# KiCad board ADHW.kicad_pcb (continued)
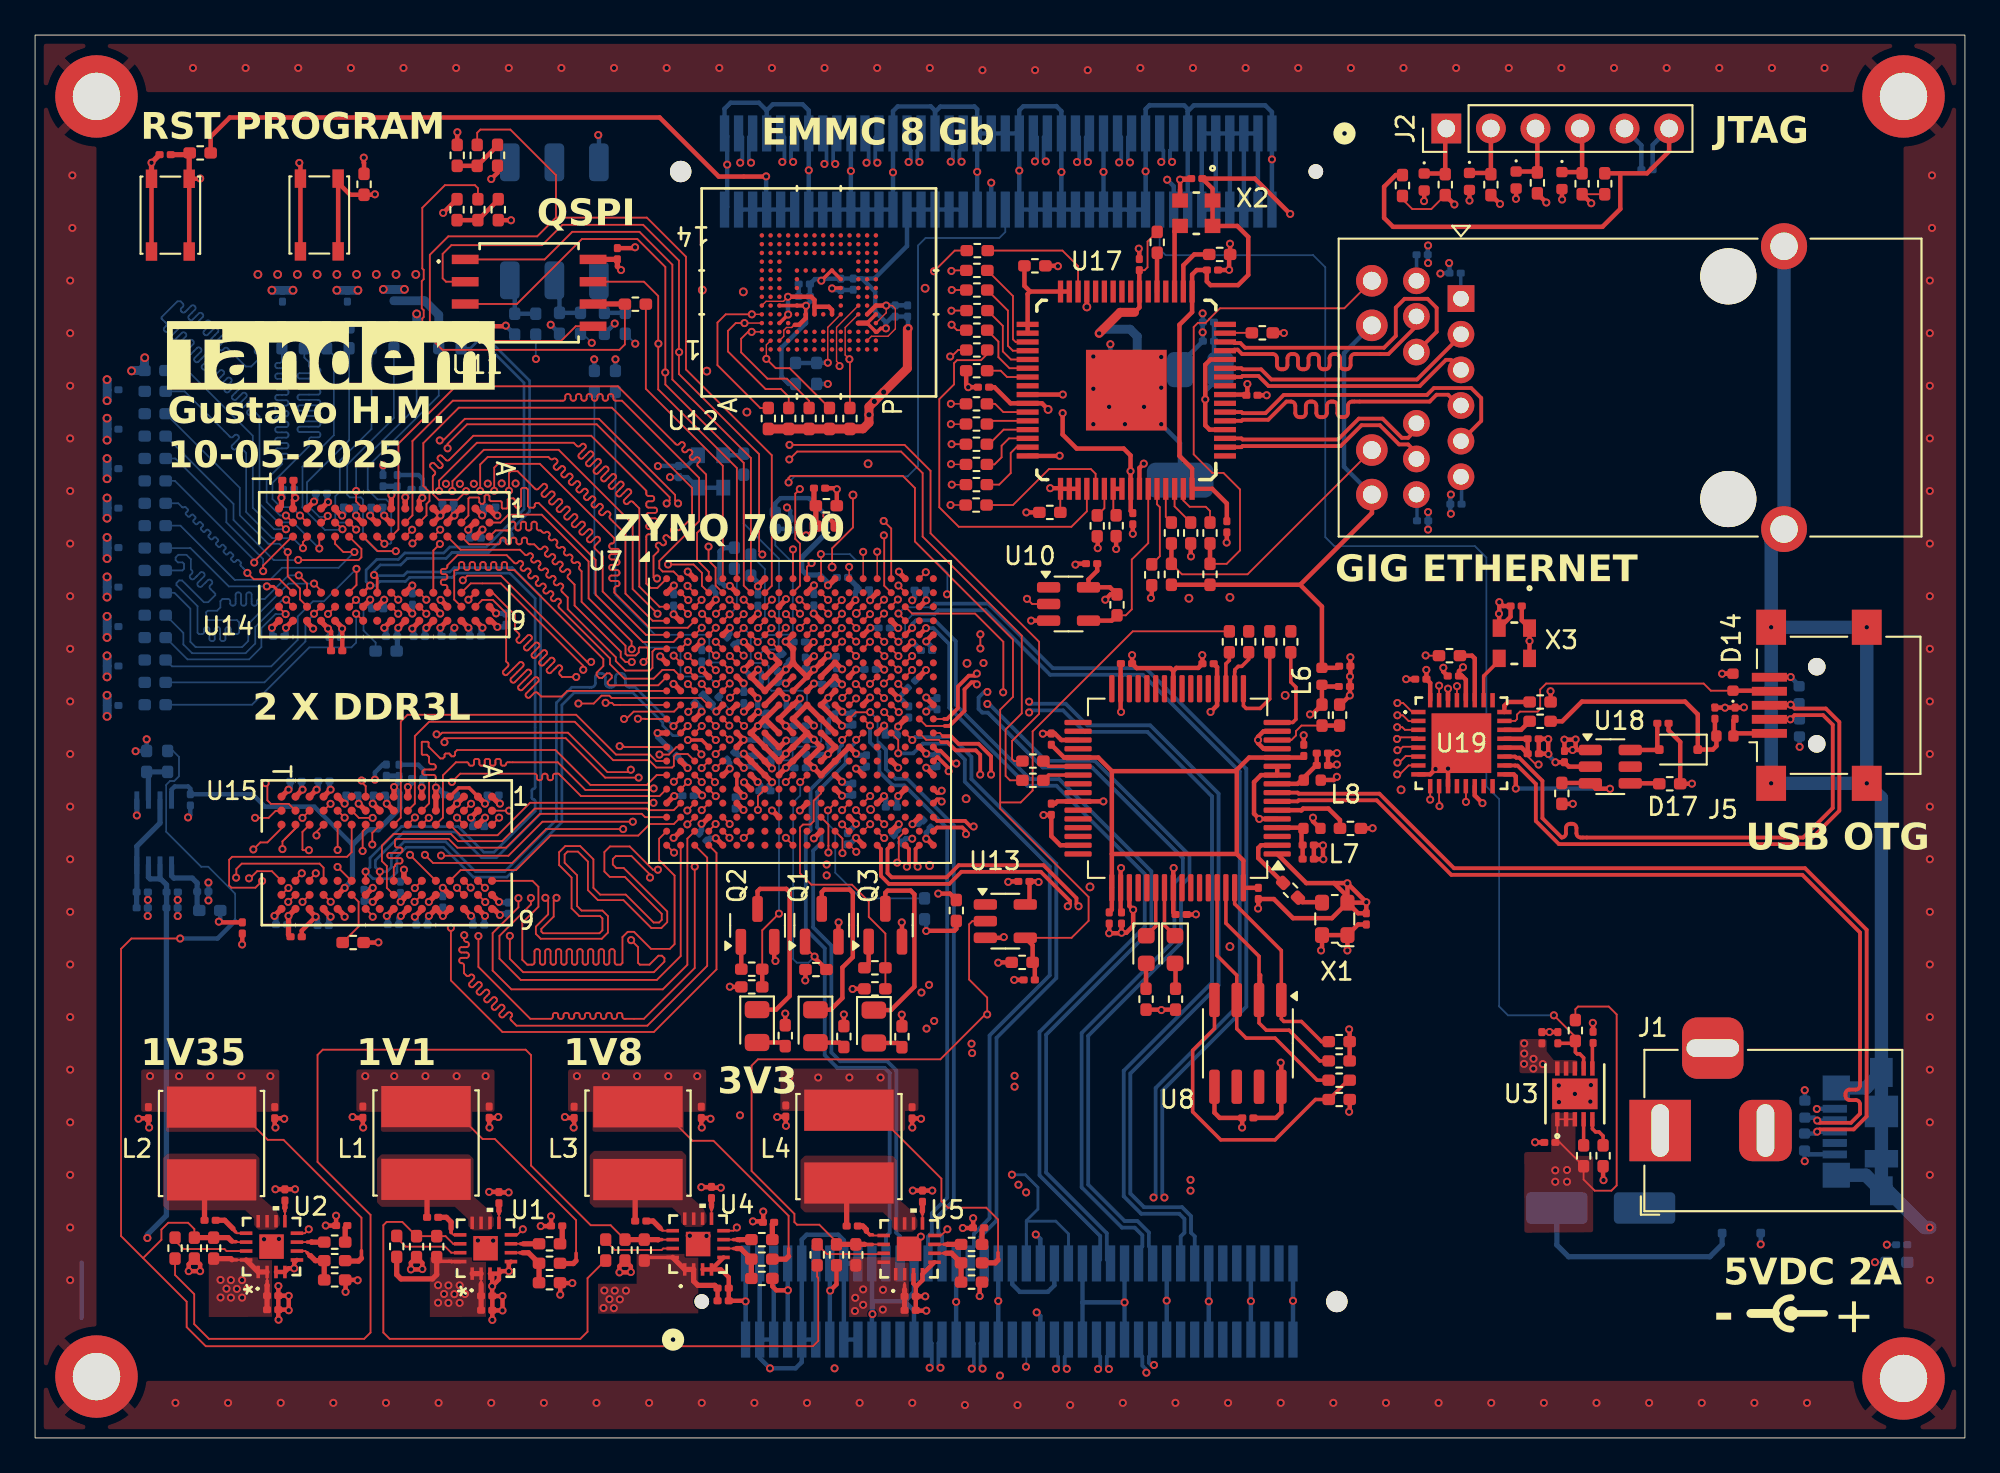
[diagram p0: board, top side]
## Routing (per net, layer and track width the routed paths; a pad name or vN(x,y) marks a point on that pad's centre or on a via; arc(x,y) is an arc through that point) (continued)
  In7.Cu w0.1: v1(19.24,35.36) 19.04,35.36 18.18,34.5 18.18,33.31 18.73,32.76 27.59,32.76 28.97,34.14 28.97,48.18 27.2,49.95 22.45,49.95 21.92,50.48 21.92,51.27 21.8,51.39 19.5,51.39 19.09,51.8 v1(18.3,51.8)
  Bottom w0.1: v1(18.3,51.8) U14.L2 17.3,52.2 17.11,52.39 17.11,53.7 17.37,53.96 17.37,55.73 19.17,57.53 R99.2
DDR_NDRST: length 89.1
  Top w0.102: v1(14.3,51.82) 14.28,51.82 U14.T2 ; v1(36.08,49.81) 37.53,49.81 38.01,49.33 38.01,48.59 U7.B4 ; U15.T2 13.83,35.77 13.82,35.76 13.71,35.76 13.31,35.36 v1(12.54,35.36)
  In5.Cu w0.1: v1(12.54,35.36) 12.12,35.78 12.12,38.67 14.74,41.29 15.89,41.29 17.3,42.7 29.17,42.7 29.57,43.1 arc(29.61,43.19) 29.57,43.27 29.53,43.31 arc(29.5,43.4) 29.53,43.49 29.58,43.53 arc(29.66,43.57) 29.75,43.53 30,43.28 arc(30.09,43.24) 30.17,43.28 30.22,43.32 arc(30.25,43.41) 30.22,43.49 29.96,43.75 arc(29.93,43.83) 29.96,43.92 30.01,43.96 arc(30.09,44) 30.18,43.96 30.43,43.71 arc(30.52,43.67) 30.6,43.71 30.65,43.75 arc(30.68,43.84) 30.65,43.92 30.39,44.18 arc(30.36,44.26) 30.39,44.35 30.44,44.39 arc(30.52,44.43) 30.61,44.39 30.86,44.14 arc(30.95,44.1) 31.03,44.14 31.08,44.18 arc(31.11,44.27) 31.08,44.36 30.83,44.61 arc(30.79,44.69) 30.83,44.78 30.87,44.82 arc(30.96,44.86) 31.04,44.82 31.29,44.57 arc(31.38,44.54) 31.47,44.57 31.51,44.61 arc(31.54,44.7) 31.51,44.79 31.26,45.04 arc(31.22,45.12) 31.26,45.21 31.3,45.25 arc(31.39,45.29) 31.47,45.25 31.72,45 arc(31.81,44.97) 31.9,45 31.94,45.05 arc(31.98,45.13) 31.94,45.22 31.9,45.26 arc(31.86,45.34) 31.9,45.43 32.04,45.57 32.31,45.57 32.42,45.68 arc(32.51,45.72) 32.59,45.68 32.87,45.41 arc(32.95,45.37) 33.04,45.41 33.08,45.45 arc(33.12,45.54) 33.08,45.62 32.36,46.34 arc(32.33,46.43) 32.36,46.51 32.41,46.56 arc(32.49,46.59) 32.58,46.56 33.3,45.84 arc(33.38,45.8) 33.47,45.84 33.51,45.88 arc(33.55,45.97) 33.51,46.05 32.79,46.77 arc(32.76,46.86) 32.79,46.94 32.84,46.99 arc(32.92,47.02) 33.01,46.99 33.73,46.27 arc(33.81,46.23) 33.9,46.27 33.94,46.31 arc(33.98,46.4) 33.94,46.48 33.22,47.2 arc(33.19,47.29) 33.22,47.38 33.27,47.42 arc(33.35,47.45) 33.44,47.42 34.16,46.7 arc(34.24,46.66) 34.33,46.7 34.37,46.74 arc(34.41,46.83) 34.37,46.92 33.66,47.63 arc(33.62,47.72) 33.66,47.81 33.7,47.85 arc(33.79,47.89) 33.87,47.85 34.59,47.13 arc(34.68,47.1) 34.76,47.13 34.81,47.17 arc(34.84,47.26) 34.81,47.35 34.09,48.07 arc(34.05,48.15) 34.09,48.24 34.13,48.28 arc(34.22,48.32) 34.3,48.28 35.02,47.56 arc(35.11,47.53) 35.19,47.56 35.24,47.61 arc(35.27,47.69) 35.24,47.78 34.96,48.05 arc(34.93,48.14) 34.96,48.22 35.3,48.56 35.73,48.56 35.99,48.82 35.99,49.72 v1(36.08,49.81)
  In7.Cu w0.1: v1(14.3,51.82) 14.5,51.62 15.2,51.62 15.76,51.06 15.76,50.46 16.79,49.43 16.79,48.52 15.07,46.8 15.07,43.82 11.7,40.45 11.7,36.17 12.51,35.36 v1(12.54,35.36) 12.54,35.38
  Bottom w0.1: v1(14.3,51.82) 13.63,51.82 12.41,53.04 12.41,57.15 8.69,60.87 R95.2
DDR_NRAS: length 96.9
  Top w0.102: U7.P4 38.39,38.6 v1(38,38.2) ; U15.J3 19.64,34.92 19.22,34.5 v1(19.22,33.84) ; v1(19.91,50.99) U14.J3
  In5.Cu w0.1: 38,38.2 v1(38,38.2) 38,38.2 U7.P4 38.4,39.2 38.2,39.4 37.8,39.4 36,37.6 36,36.22 34.24,34.46 33.87,34.46 33.6,34.19 arc(33.56,34.1) 33.6,34.02 33.75,33.86 arc(33.79,33.78) 33.75,33.69 33.71,33.65 arc(33.62,33.61) 33.54,33.65 33.06,34.13 arc(32.97,34.16) 32.89,34.13 32.84,34.08 arc(32.81,34) 32.84,33.91 33.32,33.43 arc(33.36,33.35) 33.32,33.26 33.28,33.22 arc(33.19,33.18) 33.11,33.22 32.63,33.7 arc(32.54,33.73) 32.46,33.7 32.41,33.65 arc(32.38,33.57) 32.41,33.48 32.89,33 arc(32.93,32.92) 32.89,32.83 32.85,32.79 arc(32.76,32.75) 32.68,32.79 32.2,33.27 arc(32.11,33.3) 32.02,33.27 31.98,33.22 arc(31.95,33.14) 31.98,33.05 32.46,32.57 arc(32.5,32.49) 32.46,32.4 32.42,32.36 arc(32.33,32.32) 32.24,32.36 31.77,32.83 arc(31.68,32.87) 31.59,32.83 31.55,32.79 arc(31.51,32.7) 31.55,32.62 32.03,32.14 arc(32.06,32.05) 32.03,31.97 31.99,31.92 arc(31.9,31.89) 31.81,31.92 31.33,32.4 arc(31.25,32.44) 31.16,32.4 31.12,32.36 arc(31.08,32.27) 31.12,32.19 31.27,32.03 arc(31.31,31.95) 31.27,31.86 31.03,31.62 30.68,31.62 arc(30.59,31.58) 30.55,31.5 30.55,31.28 arc(30.52,31.2) 30.43,31.16 30.37,31.16 arc(30.28,31.2) 30.25,31.28 30.25,31.96 arc(30.21,32.04) 30.13,32.08 30.07,32.08 arc(29.98,32.04) 29.94,31.96 29.94,31.28 arc(29.91,31.2) 29.82,31.16 29.76,31.16 arc(29.67,31.2) 29.64,31.28 29.64,31.96 arc(29.6,32.04) 29.52,32.08 29.46,32.08 arc(29.37,32.04) 29.33,31.96 29.33,31.28 arc(29.3,31.2) 29.21,31.16 29.15,31.16 arc(29.06,31.2) 29.03,31.28 29.03,31.96 arc(28.99,32.04) 28.91,32.08 28.85,32.08 arc(28.76,32.04) 28.72,31.96 28.72,31.28 arc(28.69,31.2) 28.6,31.16 28.54,31.16 arc(28.46,31.2) 28.42,31.28 28.42,31.96 arc(28.38,32.04) 28.3,32.08 28.24,32.08 arc(28.15,32.04) 28.11,31.96 28.11,31.28 arc(28.08,31.2) 27.99,31.16 27.93,31.16 arc(27.85,31.2) 27.81,31.28 27.81,31.96 arc(27.77,32.04) 27.69,32.08 27.63,32.08 arc(27.54,32.04) 27.51,31.96 27.51,31.28 arc(27.47,31.2) 27.38,31.16 27.32,31.16 arc(27.24,31.2) 27.2,31.28 27.2,31.96 arc(27.16,32.04) 27.08,32.08 27.02,32.08 arc(26.93,32.04) 26.9,31.96 26.9,31.28 arc(26.86,31.2) 26.77,31.16 26.71,31.16 arc(26.63,31.2) 26.59,31.28 26.59,31.5 arc(26.56,31.58) 26.47,31.62 26.21,31.62 25.56,32.26 25.5,32.26 arc(25.45,32.24) 25.42,32.18 arc(25.4,32.13) 25.34,32.1 25.2,32.1 arc(25.14,32.13) 25.12,32.18 25.12,32.34 arc(25.1,32.4) 25.04,32.42 24.89,32.42 arc(24.84,32.4) 24.81,32.34 24.81,32.18 arc(24.79,32.13) 24.73,32.1 24.59,32.1 arc(24.53,32.13) 24.51,32.18 24.51,32.34 arc(24.49,32.4) 24.43,32.42 24.29,32.42 arc(24.23,32.4) 24.21,32.34 24.21,32.18 arc(24.18,32.13) 24.13,32.1 23.98,32.1 arc(23.92,32.13) 23.9,32.18 23.9,32.34 arc(23.88,32.4) 23.82,32.42 23.68,32.42 arc(23.62,32.4) 23.6,32.34 23.6,32.18 arc(23.57,32.13) 23.52,32.1 23.37,32.1 arc(23.31,32.13) 23.29,32.18 23.29,32.34 arc(23.27,32.4) 23.21,32.42 23.07,32.42 arc(23.01,32.4) 22.99,32.34 22.99,32.18 arc(22.96,32.13) 22.91,32.1 22.76,32.1 arc(22.7,32.13) 22.68,32.18 22.68,32.34 arc(22.66,32.4) 22.6,32.42 22.46,32.42 arc(22.4,32.4) 22.38,32.34 22.38,32.18 arc(22.35,32.13) 22.3,32.1 22.15,32.1 arc(22.09,32.13) 22.07,32.18 22.07,32.34 arc(22.05,32.4) 21.99,32.42 21.85,32.42 arc(21.79,32.4) 21.77,32.34 arc(21.74,32.29) 21.69,32.26 21.39,32.26 21.29,32.17 21.29,32.01 21.09,31.81 20.61,31.81 20.36,32.06 20.36,32.65 19.24,33.77 19.24,33.82 v1(19.22,33.84)
  In7.Cu w0.1: v1(19.22,33.84) 19.41,33.65 27.51,33.65 28.55,34.69 28.55,47.42 26.64,49.33 22.5,49.33 20.84,50.99 v1(19.91,50.99)
  Bottom w0.1: v1(19.91,50.99) 20.24,50.99 20.3,51.05 20.3,53.23 20.01,53.52 19.52,53.52 18.96,54.08 18.96,55.39 23.01,59.44 R100.2
DDR_NWE: length 108.6
  Top w0.1: v1(39.59,39.82) 39.22,40.2 U7.M5 ; U15.L3 18.05,33.41 17.78,33.14 11.23,33.14 11.06,32.97 11.06,31.51 11.19,31.38 12.56,31.38 v1(12.94,31.76)
  Top w0.102: U14.L3 18.6,50.7 18.6,50.22 18.44,50.06 15.01,50.06 v1(15,50.07)
  In5.Cu w0.1: v1(12.94,31.76) 12.94,31.16 14.05,30.05 14.05,29.22 ; 14.05,29.22 14.05,28.19 17.97,24.27 32.25,24.27 40,32.02 40,32.95 40.79,33.74 40.79,40.01 40.59,40.21 39.98,40.21 v1(39.59,39.82) ; 14.05,29.22 14.05,29.22
  In7.Cu w0.1: v1(15,50.07) 14.99,50.06 14.16,50.06 13.5,50.72 13.5,51.21 12.94,51.77 11.7,51.77 5.27,45.34 5.27,32.24 6.33,31.17 12.69,31.17 12.94,31.42 v1(12.94,31.76)
  Bottom w0.1: R102.2 11.31,53.26 11.31,52.35 13.6,50.06 14.99,50.06 v1(15,50.07)
DDR_ODT: length 93.1
  Top w0.1: v1(38.8,39) 38.8,39 U7.N5
  Top w0.102: v1(18.3,54) 18.3,53.4 U14.K1 ; v1(18.61,37.49) 18.61,37.4 18.85,37.17 U15.K1
  In5.Cu w0.1: v1(38.8,39) 38.8,39.22 38.2,39.82 37.77,39.82 37.4,40.19 36.05,40.19 35.2,39.34 34.53,39.34 33.2,38.01 33.2,36.37 33.04,36.21 arc(33,36.12) 33.04,36.03 33.13,35.94 arc(33.17,35.86) 33.13,35.77 33.09,35.73 arc(33,35.69) 32.91,35.73 32.56,36.08 arc(32.47,36.12) 32.38,36.08 32.34,36.04 arc(32.31,35.95) 32.34,35.87 32.7,35.51 arc(32.73,35.42) 32.7,35.34 32.66,35.3 arc(32.57,35.26) 32.48,35.3 32.13,35.65 arc(32.04,35.69) 31.95,35.65 31.91,35.61 arc(31.87,35.52) 31.91,35.44 32.27,35.08 arc(32.3,34.99) 32.27,34.91 32.22,34.86 arc(32.14,34.83) 32.05,34.86 31.69,35.22 arc(31.61,35.26) 31.52,35.22 31.48,35.18 arc(31.44,35.09) 31.48,35.01 31.84,34.65 arc(31.87,34.56) 31.84,34.48 31.79,34.43 arc(31.71,34.4) 31.62,34.43 31.26,34.79 arc(31.18,34.83) 31.09,34.79 31.05,34.75 arc(31.01,34.66) 31.05,34.58 31.41,34.22 arc(31.44,34.13) 31.41,34.05 31.36,34 arc(31.28,33.97) 31.19,34 30.83,34.36 arc(30.75,34.4) 30.66,34.36 30.62,34.32 arc(30.58,34.23) 30.62,34.14 30.97,33.79 arc(31.01,33.7) 30.97,33.61 30.93,33.57 arc(30.85,33.54) 30.76,33.57 30.67,33.66 arc(30.58,33.7) 30.49,33.66 30.3,33.47 29.95,33.47 arc(29.86,33.43) 29.82,33.35 29.82,33.22 arc(29.79,33.13) 29.7,33.09 29.64,33.09 arc(29.55,33.13) 29.52,33.22 29.52,33.72 arc(29.48,33.81) 29.4,33.84 29.34,33.84 arc(29.25,33.81) 29.21,33.72 29.21,33.22 arc(29.18,33.13) 29.09,33.09 29.03,33.09 arc(28.94,33.13) 28.91,33.22 28.91,33.72 arc(28.87,33.81) 28.79,33.84 28.73,33.84 arc(28.64,33.81) 28.6,33.72 28.6,33.22 arc(28.57,33.13) 28.48,33.09 28.42,33.09 arc(28.33,33.13) 28.3,33.22 28.3,33.72 arc(28.26,33.81) 28.18,33.84 28.12,33.84 arc(28.03,33.81) 27.99,33.72 27.99,33.22 arc(27.96,33.13) 27.87,33.09 27.81,33.09 arc(27.73,33.13) 27.69,33.22 27.69,33.72 arc(27.65,33.81) 27.57,33.84 27.51,33.84 arc(27.42,33.81) 27.38,33.72 27.38,33.22 arc(27.35,33.13) 27.26,33.09 27.2,33.09 arc(27.12,33.13) 27.08,33.22 27.08,33.72 arc(27.04,33.81) 26.96,33.84 26.9,33.84 arc(26.81,33.81) 26.78,33.72 26.78,33.22 arc(26.74,33.13) 26.65,33.09 26.59,33.09 arc(26.51,33.13) 26.47,33.22 26.47,33.72 arc(26.43,33.81) 26.35,33.84 26.29,33.84 arc(26.2,33.81) 26.17,33.72 26.17,33.22 arc(26.13,33.13) 26.04,33.09 25.98,33.09 arc(25.9,33.13) 25.86,33.22 25.86,33.72 arc(25.83,33.81) 25.74,33.84 25.68,33.84 arc(25.59,33.81) 25.56,33.72 25.56,33.22 arc(25.52,33.13) 25.43,33.09 25.37,33.09 arc(25.29,33.13) 25.25,33.22 25.25,33.72 arc(25.22,33.81) 25.13,33.84 25.07,33.84 arc(24.98,33.81) 24.95,33.72 24.95,33.22 arc(24.91,33.13) 24.82,33.09 24.76,33.09 arc(24.68,33.13) 24.64,33.22 24.64,33.72 arc(24.61,33.81) 24.52,33.84 24.46,33.84 arc(24.37,33.81) 24.34,33.72 24.34,33.22 arc(24.3,33.13) 24.21,33.09 24.15,33.09 arc(24.07,33.13) 24.03,33.22 24.03,33.35 arc(24,33.43) 23.91,33.47 23.62,33.47 23.43,33.66 23.34,33.66 arc(23.26,33.7) 23.22,33.78 23.22,33.91 arc(23.19,34) 23.1,34.03 23.04,34.03 arc(22.95,34) 22.92,33.91 22.92,33.78 arc(22.88,33.7) 22.79,33.66 22.73,33.66 arc(22.65,33.7) 22.61,33.78 22.61,33.91 arc(22.58,34) 22.49,34.03 22.43,34.03 arc(22.34,34) 22.31,33.91 22.31,33.78 arc(22.27,33.7) 22.19,33.66 22.12,33.66 arc(22.04,33.7) 22,33.78 22,33.91 arc(21.97,34) 21.88,34.03 21.82,34.03 arc(21.73,34) 21.7,33.91 21.7,33.78 arc(21.66,33.7) 21.58,33.66 21.51,33.66 arc(21.43,33.7) 21.39,33.78 21.39,33.91 arc(21.36,34) 21.27,34.03 21.21,34.03 arc(21.12,34) 21.09,33.91 21.09,33.78 arc(21.05,33.7) 20.97,33.66 20.83,33.66 19.87,34.62 17.86,34.62 17.69,34.79 17.26,34.79 arc(17.17,34.83) 17.14,34.91 17.14,35.03 arc(17.1,35.11) 17.01,35.15 16.95,35.15 arc(16.87,35.11) 16.83,35.03 16.83,34.91 arc(16.8,34.83) 16.71,34.79 16.65,34.79 arc(16.56,34.83) 16.53,34.91 16.53,35.03 arc(16.49,35.11) 16.4,35.15 16.34,35.15 arc(16.26,35.11) 16.22,35.03 16.22,34.91 arc(16.19,34.83) 16.1,34.79 15.84,34.79 15.77,34.86 15.77,35.66 15.88,35.77 17.08,35.77 17.22,35.91 17.22,36.34 18.37,37.49 v1(18.61,37.49)
  In7.Cu w0.1: v1(18.3,54) 17.4,54 17.15,53.75 17.15,53.17 16.93,52.95 16.35,52.95 16.18,52.78 16.18,52.38 17.53,51.03 18.47,51.03 21.89,47.61 21.89,46.7 21.98,46.61 24.21,46.61 24.3,46.52 24.3,43.52 20.26,39.48 20.26,39.14 v1(18.61,37.49)
  Bottom w0.1: v1(18.3,54) 18.3,55.36 21.75,58.81 R97.2
DONE: length 88.7
  Top w0.102: v1(44.43,27.45) 43.89,27.99 Q1.1 ; v1(43.61,37.4) 44,37.79 U7.R11
  Top w0.254: v1(44.43,27.45) 44.43,27.39 R31.1
  In7.Cu w0.102: v1(44.43,27.45) 43.94,27.94 43.94,30.91 43.42,31.43 34.49,31.43 32.8,33.12 32.8,41.36 33.11,41.67 33.11,59.54 34.88,61.31 34.88,68.41 37.03,70.56 53.36,70.56 54.38,71.58 v1(54.5,71.58)
  Bottom w0.102: v1(44.43,27.45) 44.08,27.1 43.42,27.1 43.21,27.31 43.21,36.23 43.61,36.63 v1(43.61,37.4)
  Bottom w0.254: J7.42 v1(54.5,71.58)
Earth: length 87.9
  Bottom w0.254: 2.65,10 2.65,6.85
  Bottom w0.762: v1(98.96,46.23) v1(98.96,37.33) v1(104.41,37.33) ; v1(98.96,46.23) v1(104.41,46.23) v1(104.41,37.33) ; v1(98.96,46.23) 98.96,51.09 J4.SH J4.SH ; J3.6 J3.6 ; J3.6 105.5,13.83 ; J3.6 105.6,14.09 107.7,12 v1(108,12) ; J3.6 104.35,14.98 J3.6 ; J3.6 105.19,14.09 ; J3.6 105.24,15.87 ; J3.6 J3.6 ; J3.6 105.24,19.07 ; J3.6 J3.6 ; J3.6 104.35,19.96 J3.6 ; J3.6 105.24,36.49 v1(104.41,37.33)
  vias: v1(2,66) v1(2,63) v1(2,60) v1(2,57) v1(2,54) v1(2,51) v1(2,48) v1(2,45) v1(2,42) v1(2,39) v1(2,36) v1(2,33) v1(2,30) v1(2,27) v1(2,24) v1(2,21) v1(2,18) v1(2,15) v1(2,12) v1(2,9) v1(2.12,72) v1(2.12,69) v1(8,2) v1(9,78.12) v1(11,2) v1(12,78.12) v1(14,2) v1(15,78.12) v1(17,2) v1(18,78.12) v1(20,2) v1(21,78.12) v1(23,2) v1(24,78.12) v1(26,2) v1(27,78.12) v1(29,2) v1(30,78.12) v1(32,2) v1(33,78.12) v1(35,2) v1(36,78.12) v1(38,2) v1(39,78.12) v1(41,2) v1(42,78.12) v1(44,2) v1(45,78.12) v1(47,2) v1(48,78.12) v1(50,2) v1(51,78.12) v1(53,1.88) v1(54,78) v1(56,1.88) v1(57,78) v1(59,1.88) v1(60,78) v1(62,2) v1(63,78.12) v1(65,2) v1(66,78.12) v1(68,2) v1(69,78.12) v1(71,2) v1(72,78.12) v1(74,2) v1(75,78.12) v1(77,2) v1(78,78.12) v1(80,2) v1(81,78.12) v1(83,2) v1(84,78.12) v1(86,2) v1(87,78.12) v1(89,2) v1(90,78.12) v1(92,2) v1(93,78.12) v1(95,2) v1(96,78.12) v1(98,2) v1(99,78.12) v1(101,2) v1(102,78.12) v1(108,66) v1(108,63) v1(108,60) v1(108,57) v1(108,54) v1(108,51) v1(108,48) v1(108,45) v1(108,42) v1(108,39) v1(108,36) v1(108,33) v1(108,30) v1(108,27) v1(108,24) v1(108,21) v1(108,18) v1(108,15) v1(108,9) v1(108.12,72) v1(108.12,69)
ETH_NRST_+3V3: length 10
  Top w0.102: U17.59 63.45,51.03 62.51,50.09 62.51,47.25 62.17,46.91 R85.1
  Top w0.254: R85.1 61.37,46.61 U10.4
ETH_PHY_TX_CLK: length 7
  Top w0.102: U17.30 59.45,66.82 58.56,67.71 R67.2
ETH_PHY_TX_CTRL: length 21.4
  Top w0.102: U17.52 59.95,52.84 59.07,51.96 52.65,51.96 51.54,53.07 51.54,59.24 52.38,60.08 52.38,61.29 52.55,61.46 53.92,61.46 54.27,61.81 R72.2
ETH_PHY_TX_D0: length 3.7
  Top w0.102: R68.2 54.27,63.16 54.91,62.52 54.91,61.63 55.54,61 U17.38
ETH_PHY_TX_D1: length 4.3
  Top w0.102: R69.2 55.16,63.42 55.16,61.96 55.62,61.5 U17.37
ETH_PHY_TX_D2: length 4.9
  Top w0.102: U17.36 55.73,62 55.45,62.28 55.45,64.29 R70.2
ETH_PHY_TX_D3: length 5.4
  Top w0.102: R71.2 55.74,65.12 55.74,62.65 55.89,62.5 U17.35
ETH_RX_CLK: length 14
  Top w0.076: v1(52.2,58.97) R138.1
  Top w0.102: U7.B17 48.4,48.6 48.4,51.45 v1(48.38,51.47)
  In3.Cu w0.076: v1(52.2,58.97) 50.19,56.96 50.19,52.22 49.44,51.47 v1(48.38,51.47)
ETH_RX_CTRL: length 15.9
  Top w0.076: v1(52.18,53.2) R137.1
  Top w0.102: U7.D13 45.6,46.61 v1(45.99,47)
  In3.Cu w0.076: v1(52.18,53.2) 52.18,51.51 49.62,48.95 48.9,48.95 48.8,48.85 48.8,45.1 48.65,44.95 46.57,44.95 46.4,45.12 46.4,46.59 v1(45.99,47)
ETH_RX_D0: length 19.2
  Top w0.076: R139.1 53.05,57.81 v1(52.2,57.81)
  Top w0.102: v1(43.59,46.19) U7.D11
  In3.Cu w0.076: v1(52.2,57.81) 51.8,57.81 50.58,56.59 50.58,51.99 49.57,50.98 46.16,50.98 45.91,50.73 45.91,48.64 45.45,48.19 44.79,48.19 43.99,47.39 43.99,46.59 v1(43.59,46.19)
ETH_RX_D1: length 11.5
  Top w0.076: U7.A16 v1(48,50.54)
  Top w0.102: R140.1 52.24,56.67 v1(52.24,56.67)
  In3.Cu w0.076: v1(48,50.54) 49.7,50.54 50.87,51.71 50.87,55.79 51.75,56.67 v1(52.24,56.67)
ETH_RX_D2: length 14.4
  Top w0.076: R141.1 52.22,55.52 v1(52.21,55.53)
  Top w0.102: v1(47.59,45.4) 47.2,45.01 U7.F15
  In3.Cu w0.076: v1(52.21,55.53) 51.66,55.53 51.58,55.45 51.58,51.41 49.92,49.75 48.94,49.75 48,48.81 48,45.81 v1(47.59,45.4)
ETH_RX_D3: length 14.6
  Top w0.076: R142.1 53.05,54.36 v1(52.25,54.36) ; U7.A15 v1(47.2,50.53)
  In3.Cu w0.076: v1(47.2,50.53) 47.2,50.29 47.36,50.13 49.78,50.13 51.25,51.6 51.25,55.61 51.61,55.97 52.48,55.97 52.56,55.89 52.56,54.82 52.49,54.75 52.32,54.75 52.25,54.68 v1(52.25,54.36)
FLASH_CLK_M4: length 27.8
  Top w0.102: R47.1 25.24,71.27 25.07,71.44 23.36,71.44 22.07,70.15 22.07,66.69 22.15,66.61 22.15,66.08 22.04,65.97 22.04,64.42 22.15,64.31 22.15,63.92 22.07,63.84 22.07,63.2 23.22,62.05 33.31,62.05 33.62,62.36 R86.2
  Top w0.3: R86.2 33.61,64.66 U11.6
PG_3V3: length 144.3
  Top w0.102: U13.2 53.42,29.47 53.24,29.29 53.24,26.14 54.27,25.11 v1(54.27,24.15) 54.16,24.15 51.6,21.59 41.2,21.59 40.84,21.23 40.84,15.22 43.28,12.78 43.28,12.31 43.43,12.16 44.7,12.16 45.68,11.18 R164.1 ; U5.14 47.73,11.04 47.73,11.03
  Top w0.2: 47.28,11.03 47.73,11.03
  Top w0.3: 47.28,11.03 47.28,11.04 R23.2 R164.1
  In7.Cu w0.102: v1(64.53,71.75) 64.53,70.63 64.92,70.24 77.83,70.24 79.02,71.43 89.4,71.43 91.25,69.58 91.25,35.74 88.24,32.73 75.5,32.73 75.38,32.61 75.38,31.33 75.21,31.16 62.07,31.16 55.08,24.17 54.29,24.17 v1(54.27,24.15)
  Bottom w0.254: J7.16 64.9,71.38 v1(64.53,71.75)
PL_B34_L4_N: length 68.1
  Top w0.102: v1(46.02,33.35) 46.02,34.18 U7.W13
  In3.Cu w0.216: v1(46.02,33.35) 45.84,33.17 45.84,32.45 46.62,31.67 54.47,31.67 55.65,32.85 56.3,32.85 59.21,35.76 59.21,37.68 61,39.47 61,46.02 62.01,47.03 62.01,48.43 57.28,53.16 57.28,61.34 54.89,63.73 54.89,65.83 53.21,67.51 47.65,67.51 45.15,70.01 45.15,72.19 v1(45.61,72.65)
  Bottom w0.216: v1(45.61,72.65) 45.49,72.77 45.49,74.18 J7.63
PL_B34_L4_P: length 69.3
  Top w0.102: U7.V12 45.22,34.98 45.22,33.78 ; 45.22,33.78 45.22,33.76 ; 45.22,33.78 v1(45.22,33.38)
  In3.Cu w0.102: v1(45.22,33.38) 45.63,33.79 46.23,33.79 46.44,33.58 46.44,33.05 46.34,32.95
  In3.Cu w0.216: v1(44.99,72.65) 44.99,72.56 44.77,72.35 44.77,69.85 47.49,67.13 53.05,67.13 54.51,65.67 54.51,63.57 56.9,61.18 56.9,53 61.63,48.27 61.63,47.19 60.62,46.18 60.62,39.63 58.83,37.84 58.83,35.92 56.14,33.23 55.5,33.23 54.32,32.05 46.78,32.05 46.25,32.57 46.25,32.86 46.34,32.95
  Bottom w0.216: v1(44.99,72.65) 45.11,72.77 45.11,74.18 J7.65
PL_B34_L7_N: length 74.2
  Top w0.216: v1(59.48,30.32) 59.36,30.44 59.36,30.78 57.48,32.66 52.64,32.66 51.95,31.97 48.82,31.97 48.59,32.21 48.59,33.59 U7.Y17
  In3.Cu w0.216: v1(50.41,72.76) 50.29,72.64 50.29,72 50.89,71.4 53.6,71.4 57.67,67.33 57.67,65.18 58.81,64.04 63.19,64.04 65.12,62.12 65.12,53.13 67.11,51.14 67.11,45.33 67.46,44.98 67.46,44.24 66.26,43.04 66.26,39.42 64.7,37.87 64.7,33.48 61.55,30.32 v1(59.48,30.32)
  Bottom w0.216: v1(50.41,72.76) 50.29,72.88 50.29,73.42 50.5,73.63 J7.51
PL_B34_L7_P: length 74.4
  Top w0.216: U7.Y16 48.21,33.59 48.21,32.05 48.67,31.59 52.11,31.59 52.8,32.28 57.32,32.28 58.98,30.63 58.98,30.44 v1(58.86,30.32)
  In3.Cu w0.216: v1(49.79,72.76) 49.91,72.64 49.91,71.85 50.73,71.02 53.44,71.02 57.29,67.18 57.29,65.02 58.65,63.66 63.04,63.66 64.74,61.96 64.74,52.97 66.73,50.98 66.73,45.18 67.08,44.82 67.08,44.39 65.88,43.19 65.88,39.58 64.33,38.02 64.33,33.63 61.43,30.73 59.74,30.73 59.67,30.8 59.22,30.8 58.86,30.44 v1(58.86,30.32)
  Bottom w0.216: J7.53 49.7,73.63 49.91,73.42 49.91,72.88 v1(49.79,72.76)
PL_B34_L8_N: length 61.3
  Top w0.076: U7.Y14 46.43,33.8 v1(46.81,33.43)
  In3.Cu w0.216: v1(46.81,33.43) 46.92,33.31 53.62,33.31 57.49,37.18 57.49,38.38 59.41,40.3 59.41,48.91 57.86,50.46 56.89,50.46 55.81,51.54 55.81,60.59 53.72,62.68 51.32,62.68 50.88,63.12 50.88,64.24 49.48,65.64 47.37,65.64 42.75,70.26 42.75,72.31 v1(43.21,72.77)
  Bottom w0.216: J7.69 43.09,74.18 43.09,72.89 v1(43.21,72.77)
PL_B34_L8_P: length 62.2
  Top w0.102: v1(46,34.99) 46.39,34.6 U7.W14
  In3.Cu w0.102: v1(46,34.99) 46,34.41 46.57,33.84 46.97,33.84
  In3.Cu w0.216: 46.97,33.84 47.12,33.84 47.27,33.69 53.46,33.69 57.11,37.34 57.11,38.54 59.03,40.46 59.03,48.75 57.7,50.08 56.73,50.08 55.43,51.38 55.43,60.43 53.56,62.3 51.16,62.3 50.5,62.97 50.5,64.08 49.32,65.26 47.21,65.26 42.37,70.1 42.37,72.46 42.59,72.68 v1(42.59,72.77)
  Bottom w0.216: v1(42.59,72.77) 42.71,72.89 42.71,74.18 J7.71
PL_B34_L10_N: length 87.4
  Top w0.076: U7.W15 v1(47.6,35)
  In3.Cu w0.102: 45.39,35 45.8,35.41 46.2,35.41 46.41,35.2 46.41,34.78 46.57,34.62 47.22,34.62 v1(47.6,35)
  In3.Cu w0.216: v1(52.81,72.78) 54.19,72.78 61.59,65.37 62.72,65.37 65.78,62.31 65.78,54.48 69.05,51.21 69.05,40.57 66.02,37.54 66.02,31.57 62.44,27.99 45.83,27.99 43.15,30.67 43.15,32.92 43.74,33.51 43.74,34.35 44.28,34.89 45.28,34.89 45.39,35
  Bottom w0.216: J7.45 52.9,73.63 52.69,73.42 52.69,72.9 v1(52.81,72.78)
PL_B34_L10_P: length 90.1
  Top w0.102: U7.V15 47.19,35.4 v1(46.79,35.8)
  In3.Cu w0.102: v1(46.79,35.8) 46.39,36.2 45.77,36.2 45.6,36.03 45.6,35.58 45.29,35.27 44.92,35.27
  In3.Cu w0.216: 44.92,35.27 44.1,35.27 43.36,34.53 43.36,33.67 42.77,33.08 42.77,30.51 45.67,27.61 62.6,27.61 66.4,31.41 66.4,37.39 69.43,40.42 69.43,51.37 66.16,54.64 66.16,62.47 62.88,65.75 61.75,65.75 54.15,73.35 52.5,73.35 52.19,73.04 v1(52.19,72.78)
  Bottom w0.216: J7.47 52.1,73.63 52.31,73.42 52.31,72.9 v1(52.19,72.78)
PL_B34_L11_N: length 61.8
  Top w0.102: U7.U15 47.6,36.6 v1(47.6,36.6)
  In3.Cu w0.102: 48.34,36 48.34,36 47.73,36.6 v1(47.6,36.6)
  In3.Cu w0.216: 48.34,36 48.38,36 48.54,35.84 53.6,35.84 55.65,37.89 55.65,39.56 57.68,41.59 57.68,48.2 57.18,48.7 56.32,48.7 54.13,50.89 54.13,59.89 53.56,60.46 49.22,60.46 38.54,71.14 38.54,73.15 39.19,73.8 39.97,73.8 40.69,73.08 40.69,72.84 v1(40.81,72.72)
  Bottom w0.216: v1(40.81,72.72) 40.69,72.84 40.69,74.18 J7.75
PL_B34_L11_P: length 62.7
  Top w0.102: U7.U14 v1(46,35.8)
  In3.Cu w0.102: v1(46,35.8) 46.22,35.8 46.59,35.43 47.85,35.43 48.04,35.62 48.34,35.62
  In3.Cu w0.216: v1(40.19,72.72) 40.31,72.84 40.31,72.92 39.81,73.42 39.35,73.42 38.92,72.99 38.92,71.3 49.38,60.84 53.72,60.84 54.51,60.05 54.51,51.05 56.48,49.08 57.34,49.08 58.06,48.36 58.06,41.44 56.03,39.41 56.03,37.73 53.76,35.46 48.5,35.46 48.34,35.62
  Bottom w0.216: J7.77 40.31,74.18 40.31,72.84 v1(40.19,72.72)
PL_B34_L14_N: length 100.2
  Top w0.216: v1(52.07,38.02) 52.07,38.19 51.45,38.81 51.41,38.81 U7.P20
  In3.Cu w0.216: v1(64.81,72.77) 64.81,72.85 65.11,73.15 65.5,73.15 67.09,71.57 70.87,71.57 73.69,68.75 73.69,55.42 74.42,54.69 74.42,47.81 76.72,45.51 76.72,28.05 73.76,25.09 71.1,25.09 66.52,20.51 55.97,20.51 v1(55.83,20.65)
  In5.Cu w0.216: v1(52.07,38.02) 52.08,38.03 52.82,38.03 54.7,36.15 54.7,30.39 56.73,28.36 56.73,25.7 55.83,24.8 v1(55.83,20.65)
  Bottom w0.216: v1(64.81,72.77) 64.69,72.89 64.69,73.42 64.9,73.63 J7.15
PL_B34_L14_P: length 104.7
  Top w0.216: U7.N20 51.41,39.19 51.61,39.19 52.34,38.46 v1(52.51,38.46)
  In3.Cu w0.216: v1(55.83,20.03) 55.95,20.15 66.76,20.15 71.32,24.71 73.92,24.71 77.1,27.89 77.1,45.67 74.8,47.97 74.8,54.85 74.07,55.58 74.07,68.91 71.03,71.95 67.24,71.95 65.66,73.53 64.96,73.53 v1(64.19,72.77)
  In5.Cu w0.216: v1(55.83,20.03) 55.78,20.03 55.32,20.49 55.32,20.91 55.45,21.04 55.45,24.96 56.35,25.86 56.35,28.2 54.32,30.24 54.32,35.99 52.71,37.6 51.84,37.6 51.61,37.83 51.61,38.31 51.76,38.46 v1(52.51,38.46)
  Bottom w0.216: v1(64.19,72.77) 64.31,72.89 64.31,73.42 64.1,73.63 J7.17
PL_B34_L15_N: length 93.7
  Top w0.216: U7.U20 51.41,36.41 51.55,36.41 v1(51.67,36.29)
  In3.Cu w0.216: v1(50.81,23.34) 50.98,23.34 51.21,23.11 64.83,23.11 70.96,29.24 70.96,36.54 73.61,39.19 73.61,41.75 72.14,43.22 72.14,53.51 71.18,54.47 71.18,60.32 69.72,61.78 69.72,67.86 68.45,69.13 62.64,69.13 59.89,71.88 59.89,72.64 v1(60.01,72.76)
  In5.Cu w0.216: v1(51.67,36.29) 51.79,36.41 51.99,36.41 52.11,36.29 52.11,24.83 51.91,24.63 51,24.63 50.56,24.19 50.56,23.76 50.81,23.51 v1(50.81,23.34)
  Bottom w0.216: J7.27 59.89,74.18 59.89,72.88 v1(60.01,72.76)
PL_B34_L15_P: length 93.1
  Top w0.216: U7.T20 51.41,36.79 51.55,36.79 v1(51.67,36.91)
  In3.Cu w0.216: v1(51.25,23.78) 51.25,23.61 51.37,23.49 64.67,23.49 70.58,29.4 70.58,36.7 73.23,39.35 73.23,41.6 71.76,43.07 71.76,53.35 70.8,54.31 70.8,60.16 69.34,61.62 69.34,67.7 68.3,68.75 62.48,68.75 59.51,71.72 59.51,72.64 v1(59.39,72.76)
  In5.Cu w0.216: v1(51.67,36.91) 51.79,36.79 52.15,36.79 52.49,36.45 52.49,24.67 52.07,24.25 51.15,24.25 50.94,24.04 50.94,23.92 51.08,23.78 v1(51.25,23.78)
  Bottom w0.216: J7.29 59.51,74.18 59.51,72.88 v1(59.39,72.76)
PL_B34_L16_N: length 94.6
  Top w0.216: v1(53.06,34.43) 53.06,34.6 52.85,34.81 51.41,34.81 U7.W20
  In3.Cu w0.216: v1(62.41,72.74) 62.29,72.62 62.29,72.07 63.84,70.52 69.06,70.52 72.54,67.04 72.54,55.11 73.54,54.11 73.54,47.5 75.88,45.16 75.88,37.74 74.39,36.25 74.39,32.31 72.62,30.54 72.62,28.43 65.64,21.45 53.17,21.45 52.91,21.71 52.91,22.15 53.24,22.48 v1(53.38,22.48)
  In5.Cu w0.216: v1(53.38,22.48) 53.41,22.48 53.63,22.7 53.63,22.85 53.12,23.36 53.12,34.37 v1(53.06,34.43) 53.15,34.34
  Bottom w0.216: v1(62.41,72.74) 62.29,72.86 62.29,74.18 J7.21
PL_B34_L16_P: length 93.6
  Top w0.216: U7.V20 51.41,35.19 53.01,35.19 53.33,34.87 v1(53.5,34.87)
  In3.Cu w0.216: v1(53.41,21.95) 53.53,21.83 65.48,21.83 72.24,28.59 72.24,30.7 74.01,32.47 74.01,36.4 75.5,37.89 75.5,45.01 73.16,47.35 73.16,53.95 72.16,54.95 72.16,66.89 68.91,70.14 63.68,70.14 61.91,71.91 61.91,72.62 v1(61.79,72.74)
  In5.Cu w0.216: v1(53.5,34.87) 53.5,23.51 54.01,23 54.01,22.48 53.48,21.95 v1(53.41,21.95)
  Bottom w0.216: J7.23 61.91,74.18 61.91,72.86 v1(61.79,72.74)
